# Altium PCB trussy.PcbDoc (part 1 of 3)
Units mil, origin at the board's own origin, x right, y up, seen from the top; angles counter-clockwise.
Board outline 3818.9 x 2234.25 mil, 6 copper layers (Top Layer, GND_TOP, Internal Signal 1, VCC, Internal Signal 2, Bottom Layer), stack 62.65 mil thick; 152 components, 165 nets, 758 pads, 452 vias.
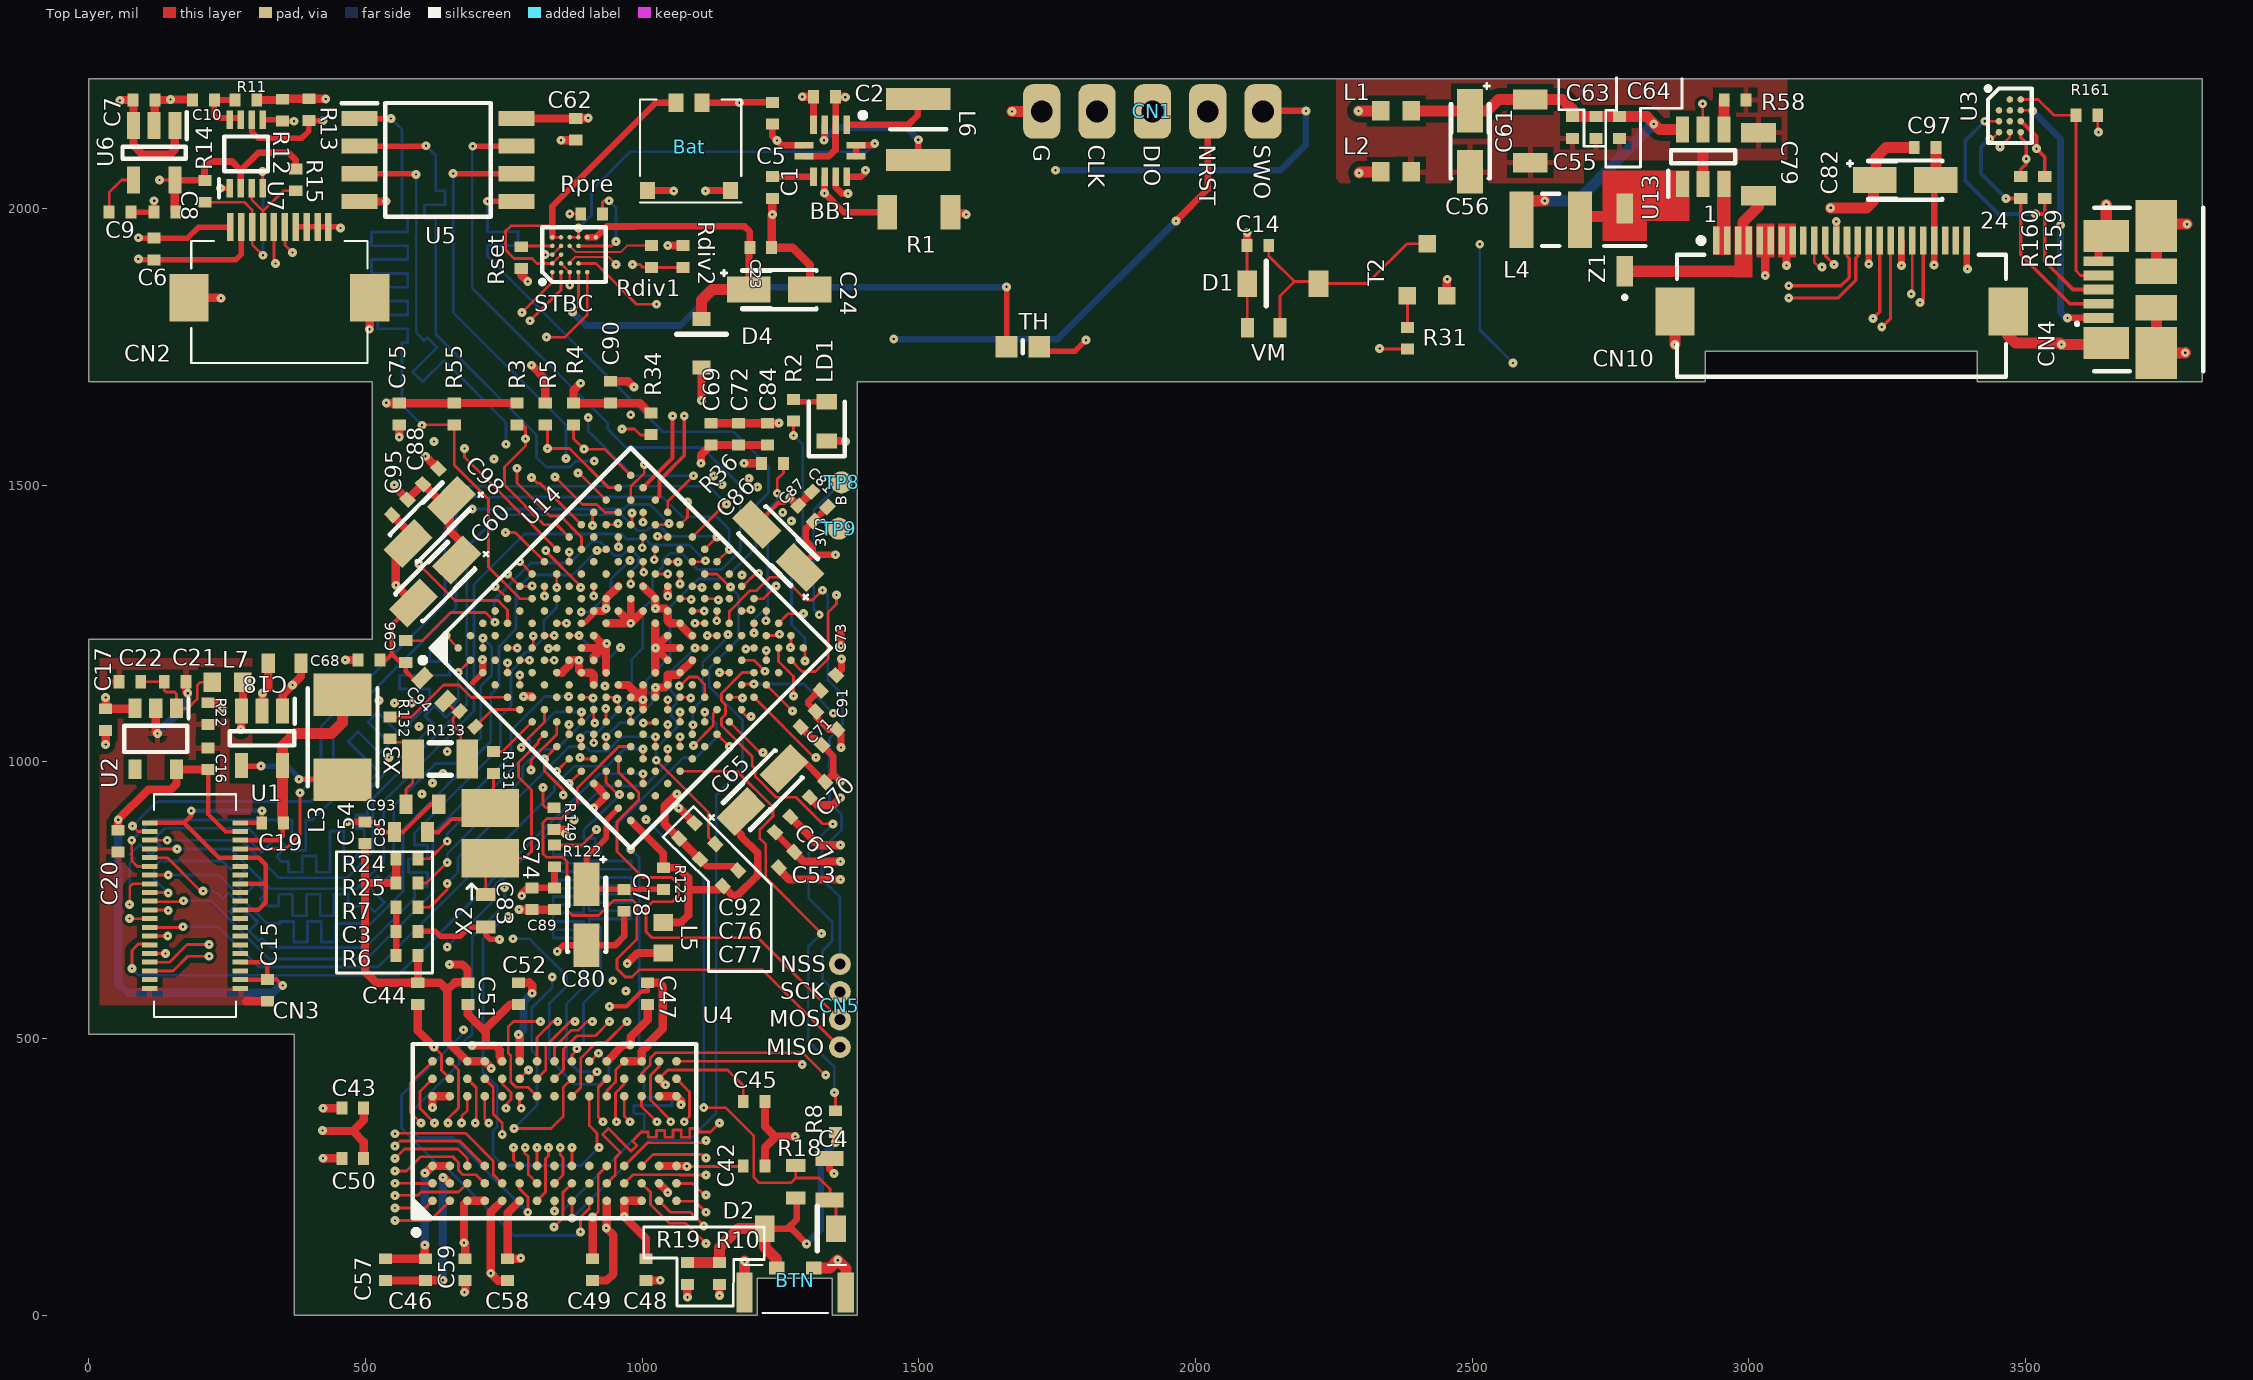
[diagram p0: Top Layer view]
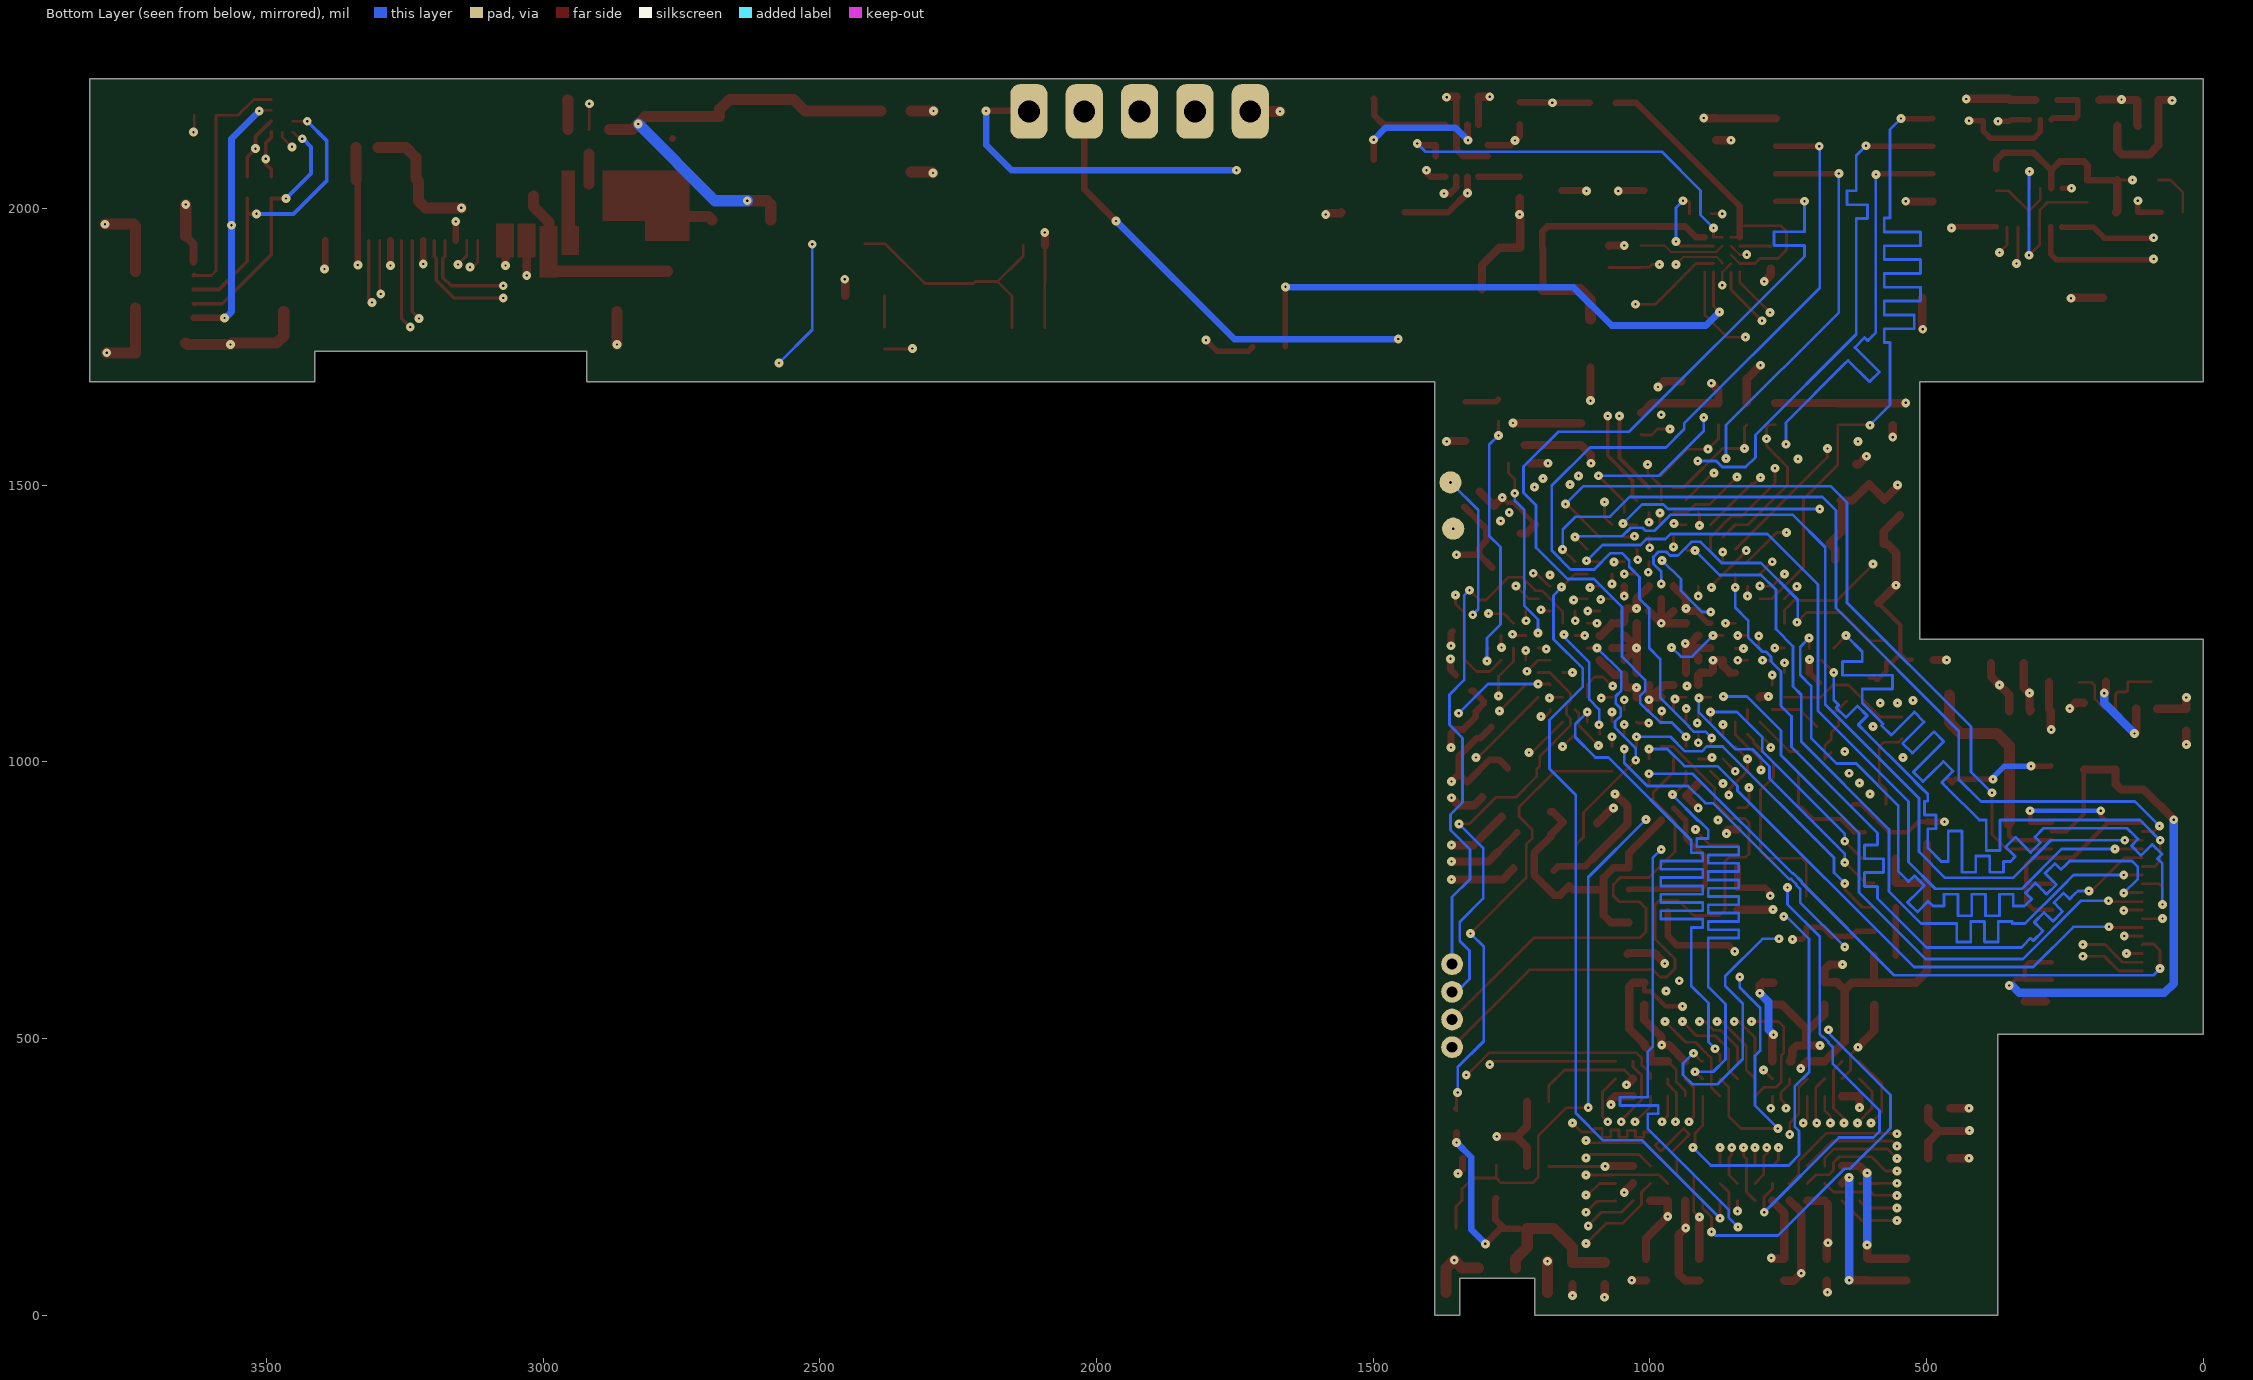
[diagram p1: Bottom Layer view, seen from below]
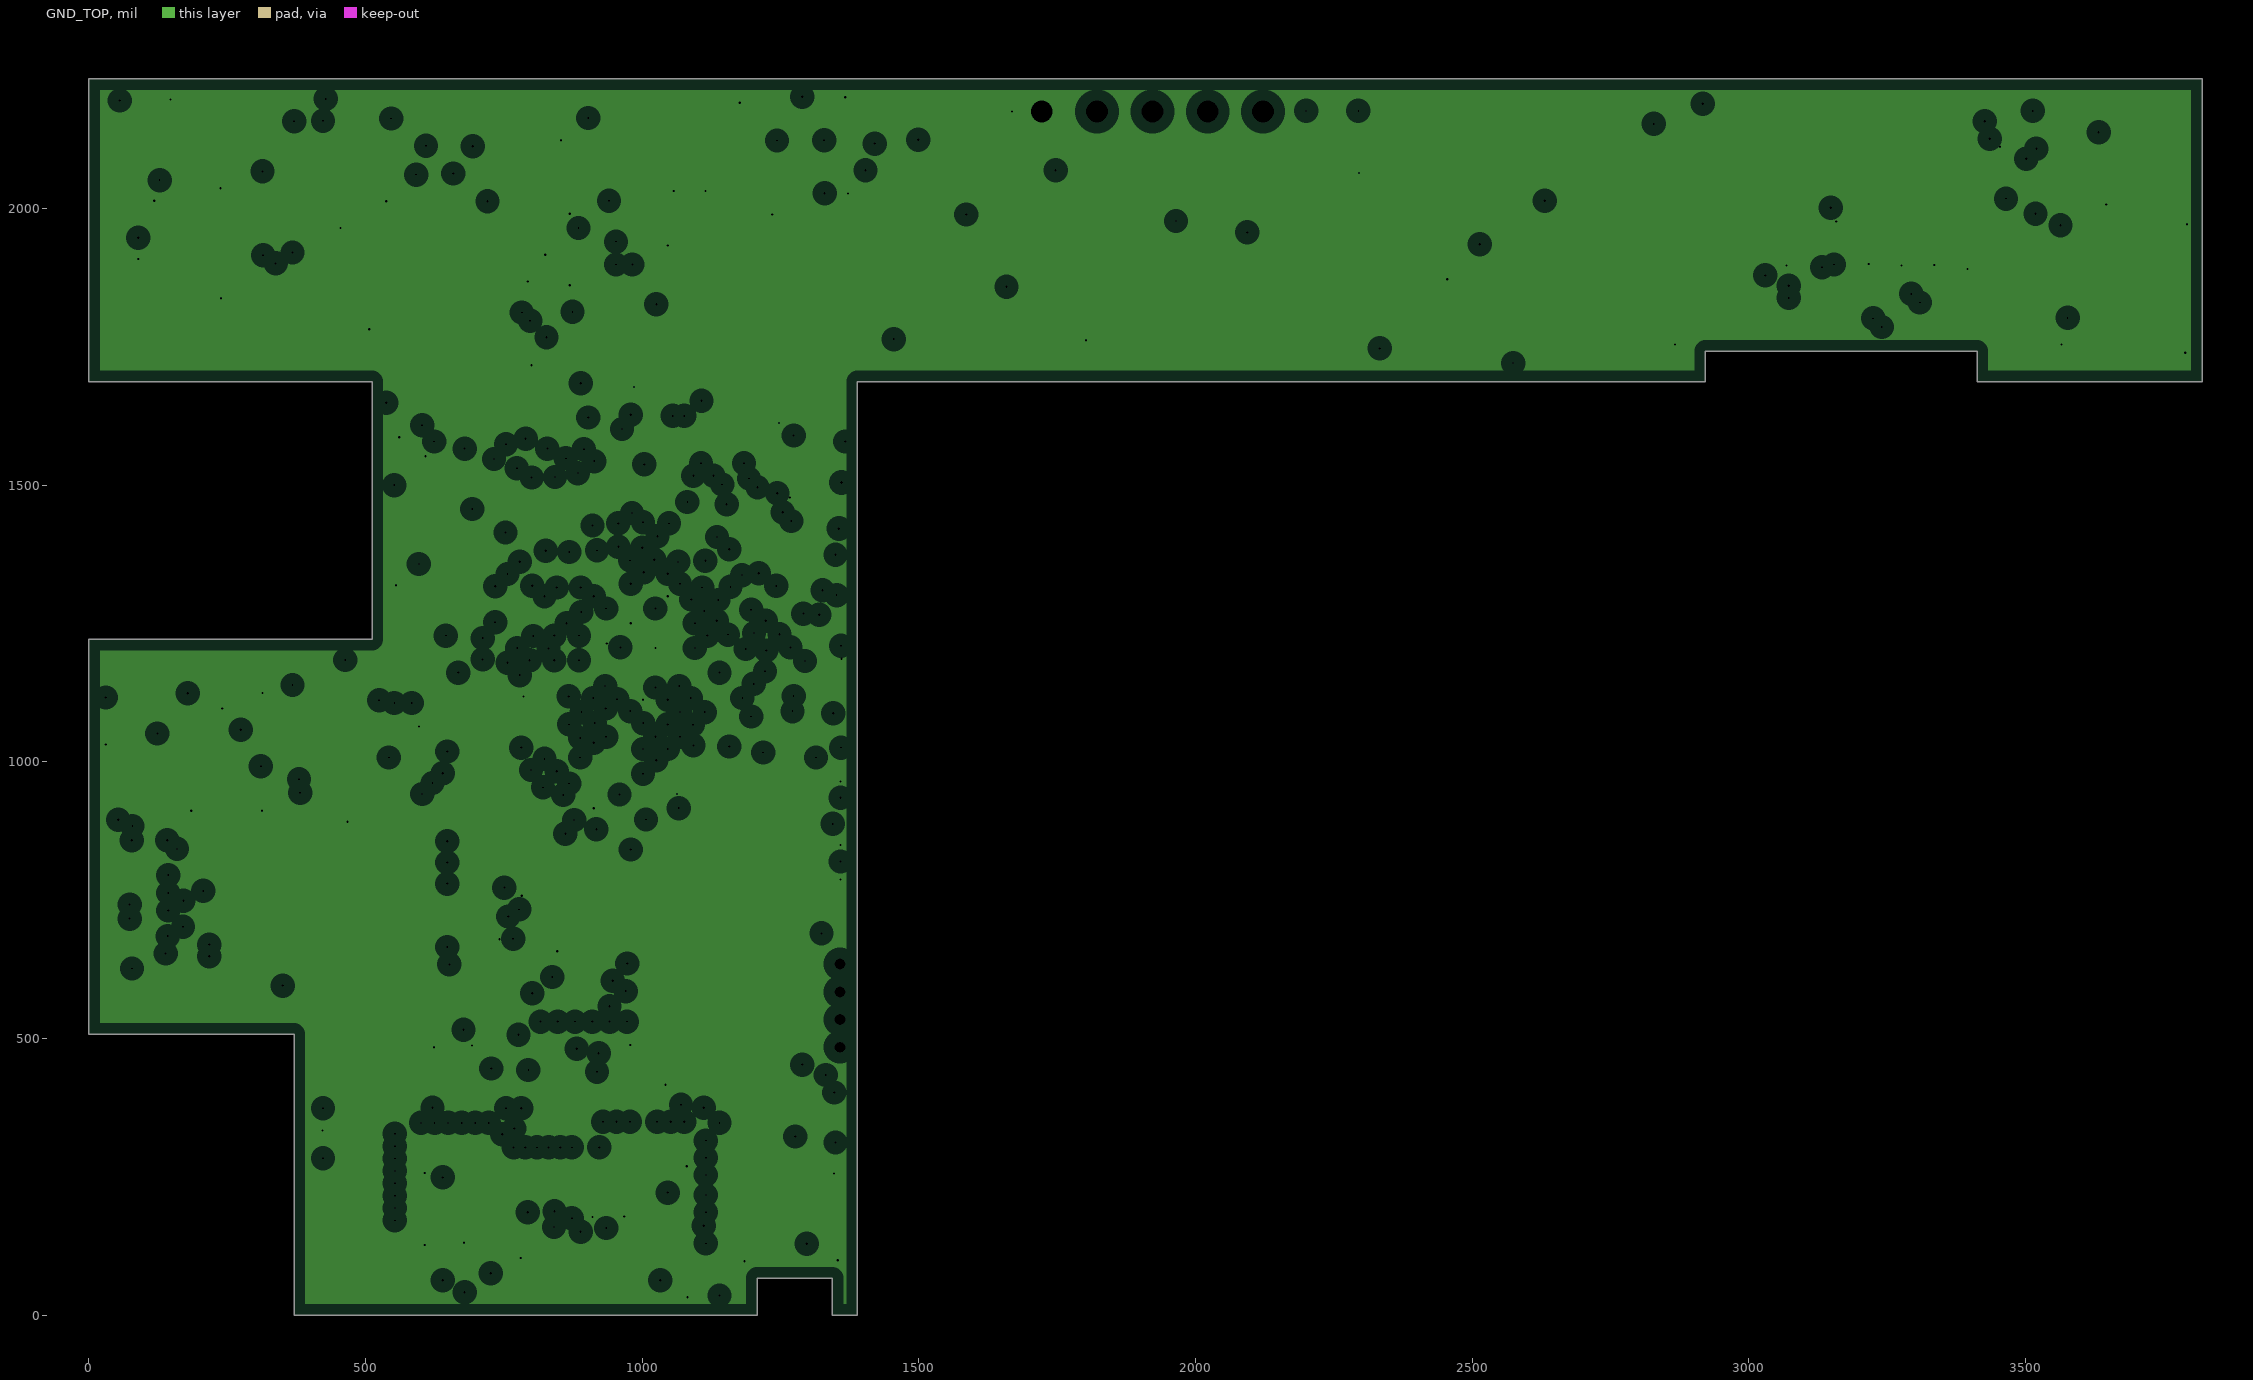
[diagram p2: GND_TOP, clearances drawn from the general rule]
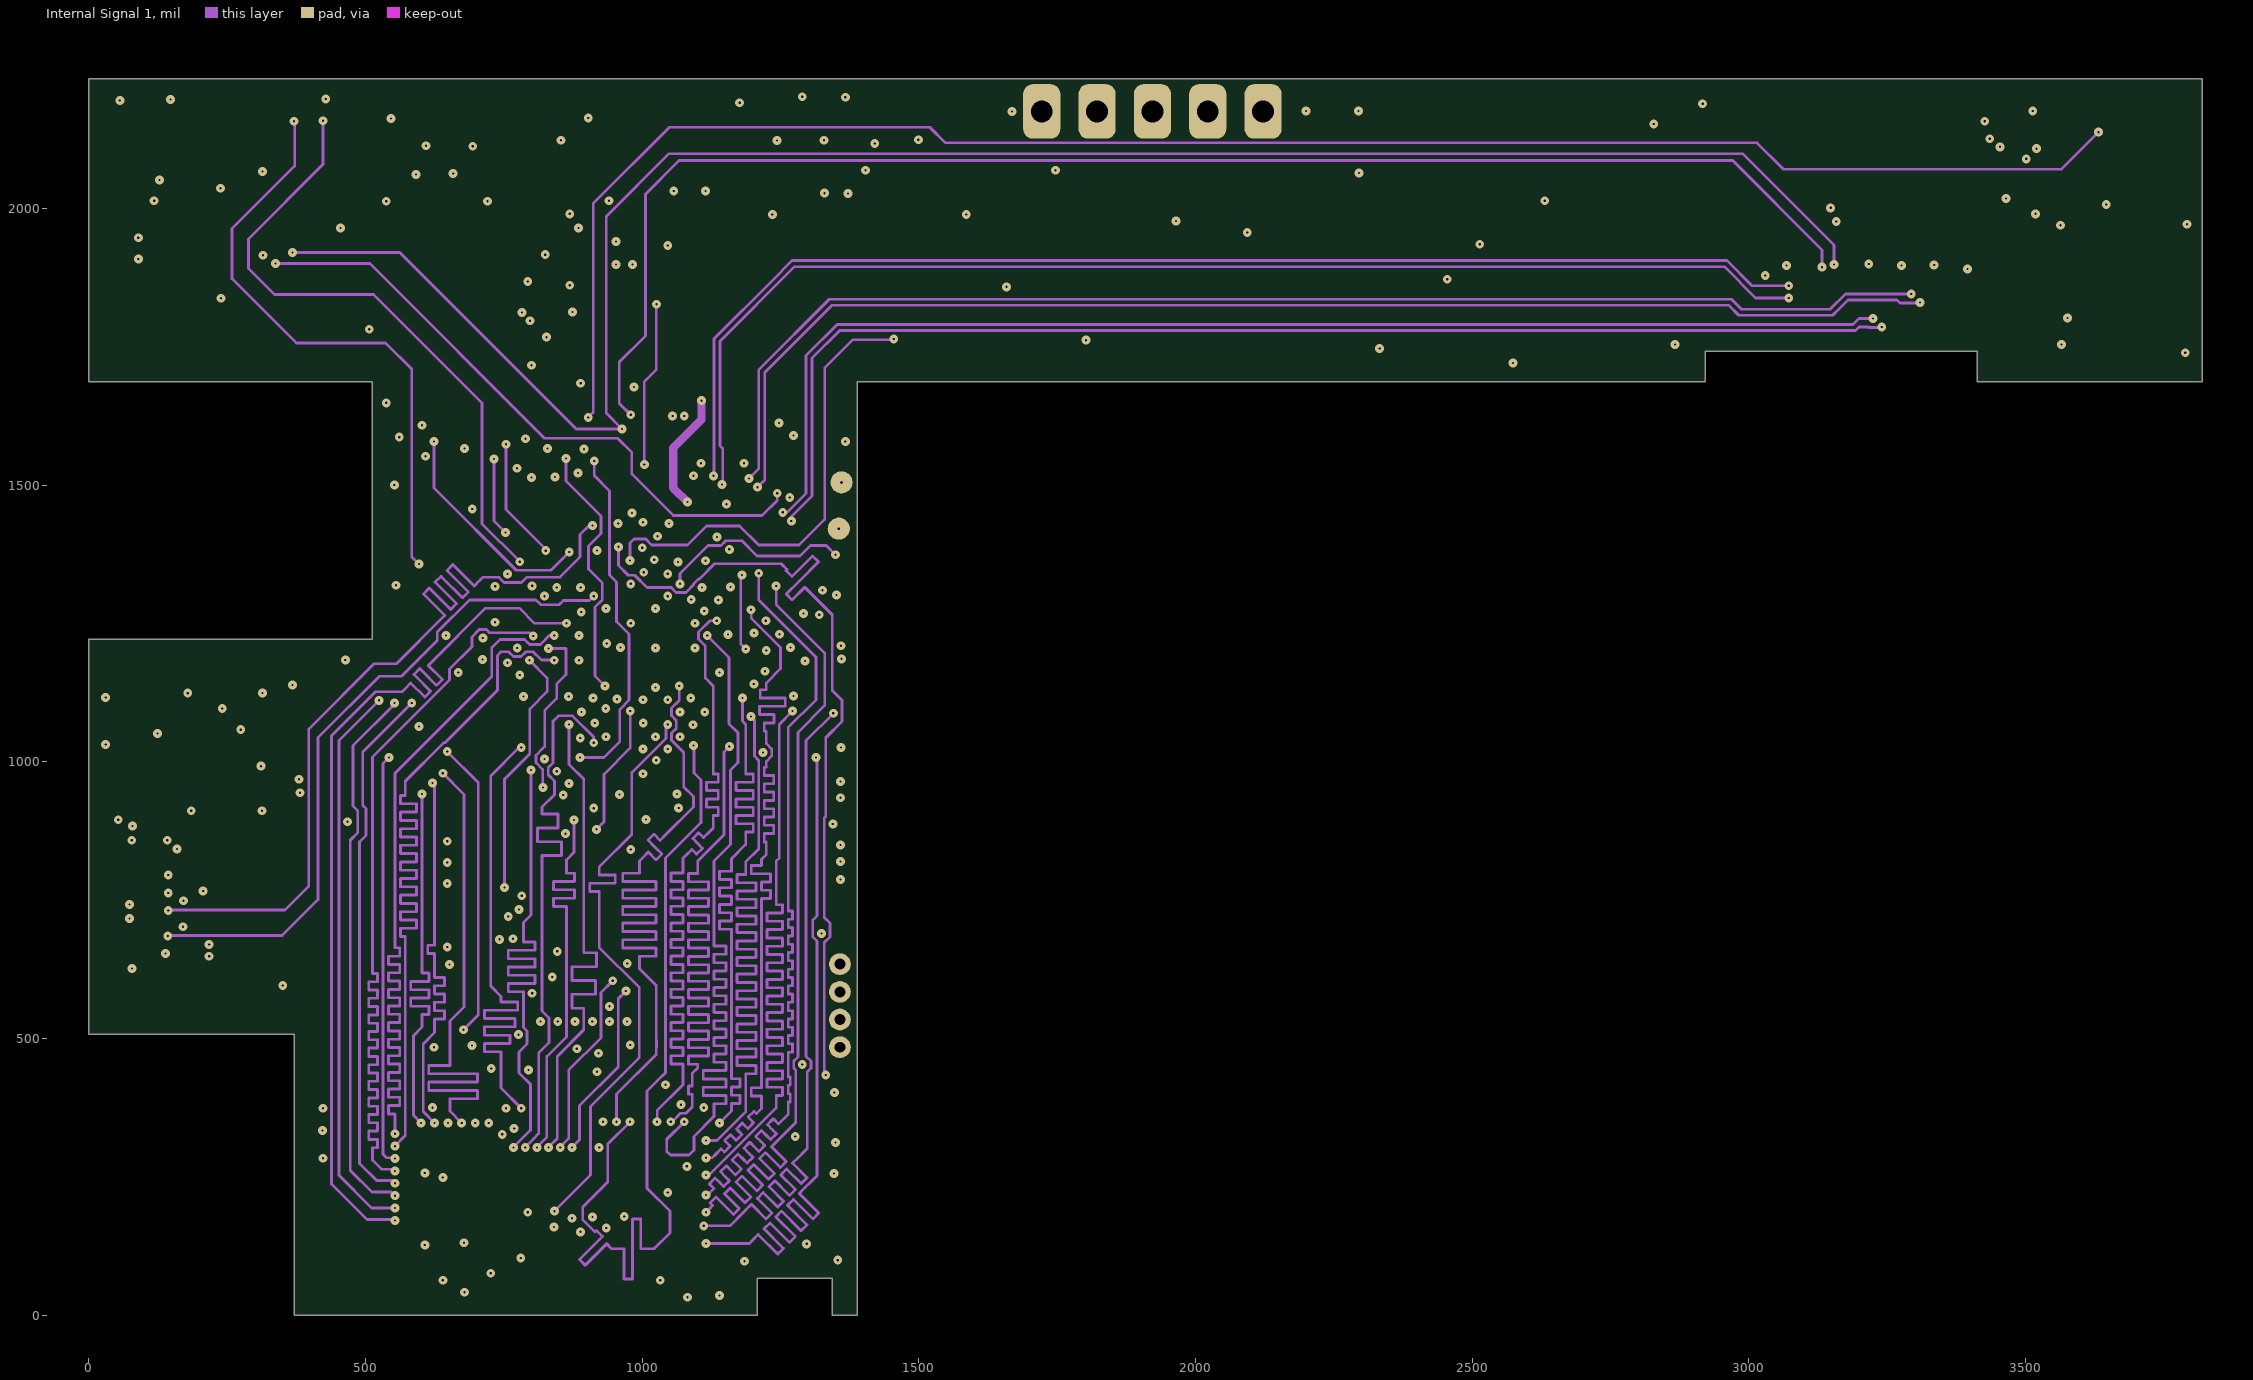
[diagram p3: Internal Signal 1]